# KiCad board rabbit_mask_capacitors.kicad_pcb (continued)
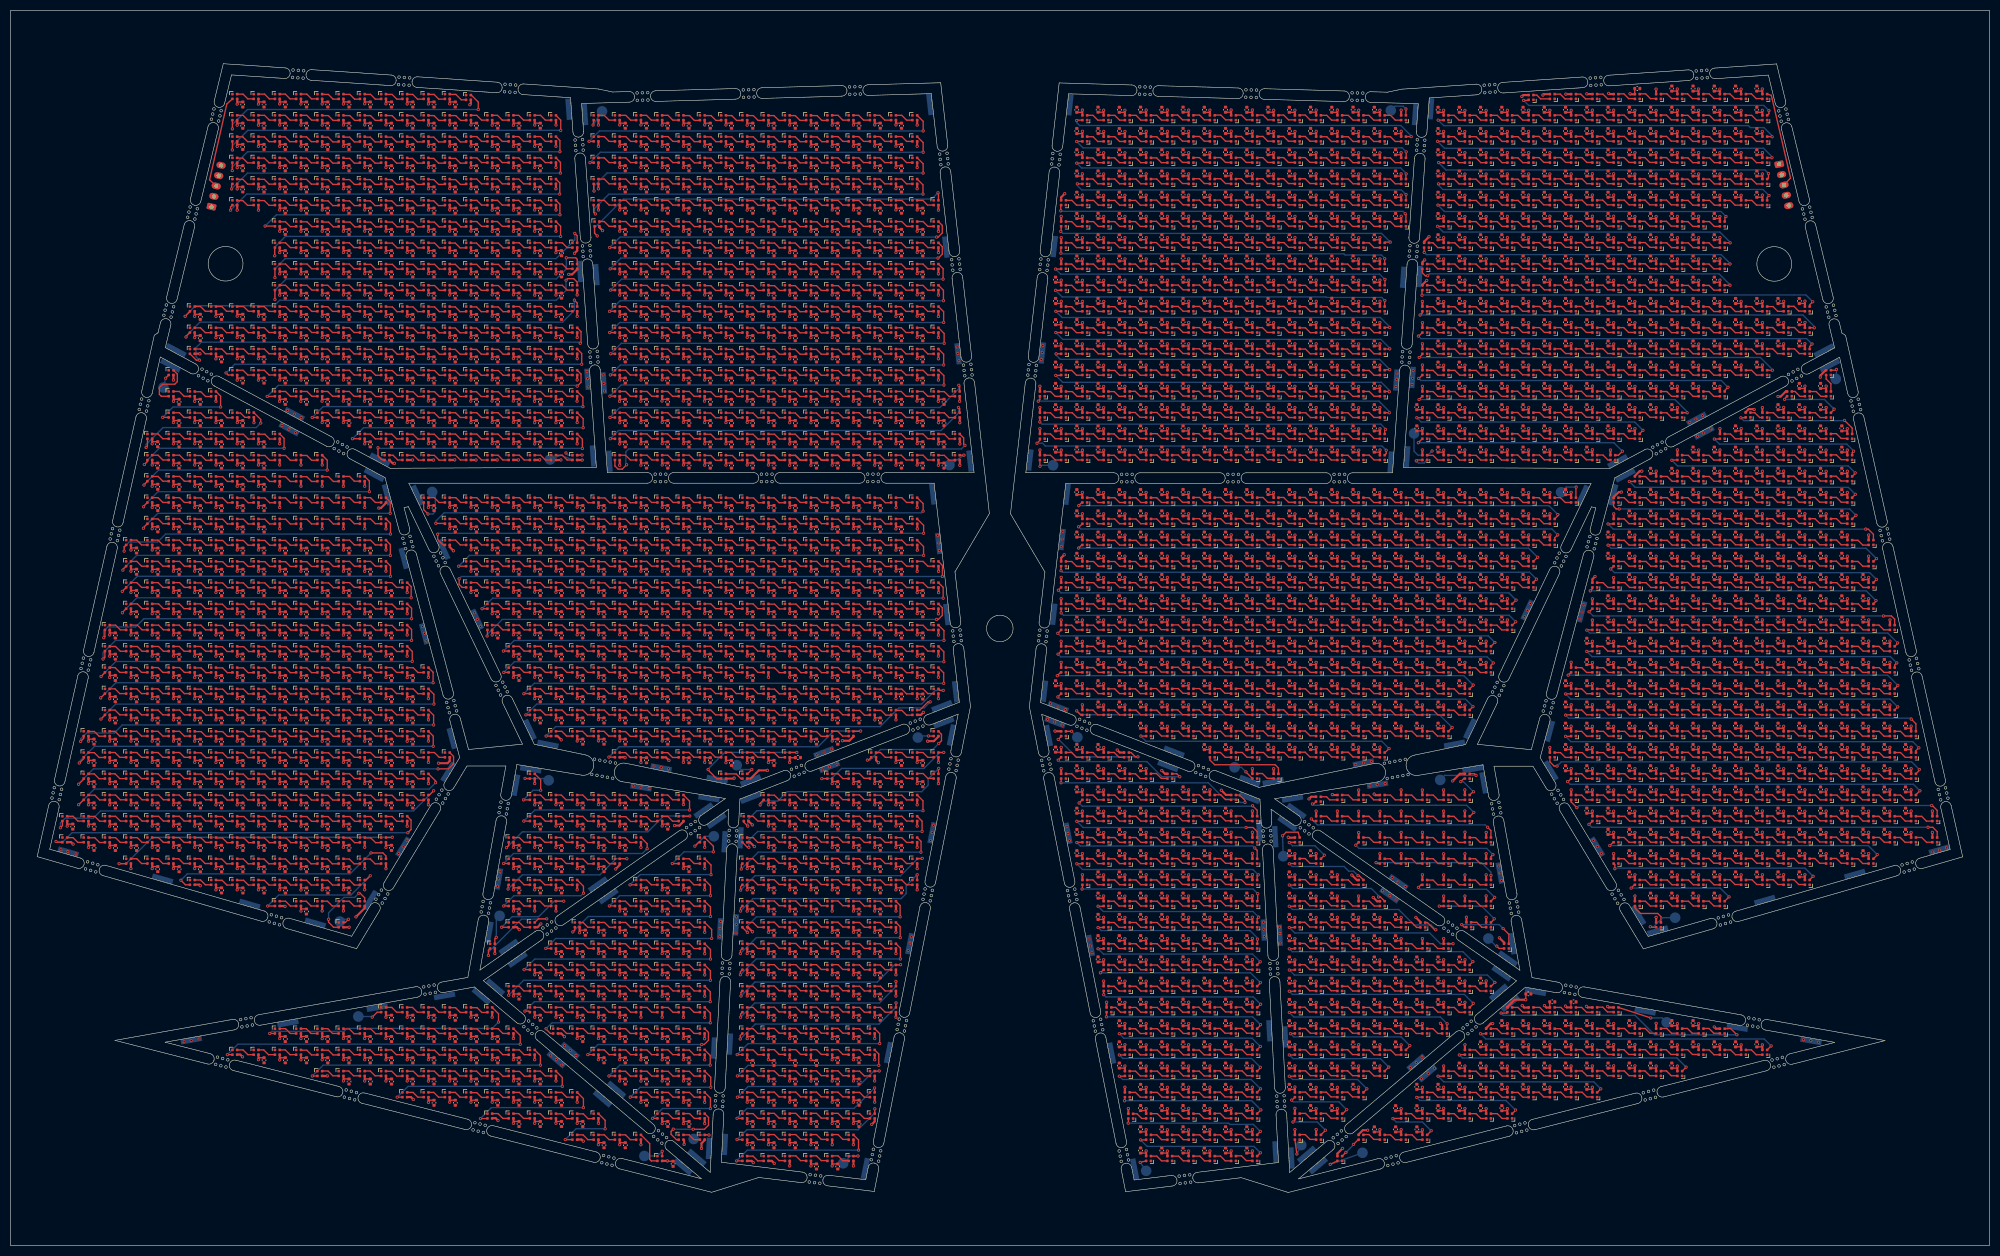
[diagram p0: board, top side]
## Routing (per net, layer and track width the routed paths; a pad name or vN(x,y) marks a point on that pad's centre or on a via; arc(x,y) is an arc through that point) (continued)
; C1485#859.1 269.68,189.38 ; C1485#477.1 118.72,79.34 ; C1485#1650.1 233.68,65.38 ; C1485#1606.1 154.72,211.34 ; C1485#2293.1 94.72,23.34 ; C1485#258.1 30.74,87.32 ; C1485#2081.1 102.72,139.34 ; C1485#1530.1 126.72,139.34 ; C1485#1348.1 78.72,211.34 ; C1485#1243.1 281.68,193.38 ; C1485#1642.1 221.68,37.38 ; C1485#1412.1 221.68,209.4 ; C1485#1883.1 309.68,69.38 ; C1485#2087.1 273.68,153.38 ; C1485#2378.1 353.68,89.38 ; C1485#1877.1 209.68,173.4 ; C1485#1747.1 317.68,89.38 ; C1485#384.1 317.68,193.38 ; C1485#2344.1 213.68,137.38 ; C1485#2102.1 66.74,131.32 ; C1485#68.1 281.68,185.38 ; C1485#1046.1 289.68,29.38 ; C1485#375.1 337.68,73.38 ; C1485#2505.1 309.68,101.38 ; C1485#468.1 62.72,79.34 ; C1485#550.1 229.68,125.38 ; C1485#500.1 317.68,189.38 ; C1485#2353.1 58.72,183.34 ; C1485#2302.1 345.68,93.38 ; C1485#2405.1 146.72,27.34 ; C1485#1049.1 285.68,205.38 ; C1485#157.1 253.68,45.36 ; C1485#2026.1 269.68,113.38 ; C1485#182.1 305.68,125.38 ; C1485#2321.1 146.72,167.34 ; C1485#1392.1 245.68,49.36 ; C1485#1847.1 301.68,113.38 ; C1485#783.1 257.68,109.38 ; C1485#151.1 269.68,193.38 ; C1485#1418.1 118.72,207.34 ; C1485#2164.1 114.72,115.34 ; C1485#2395.1 217.68,41.36 ; C1485#1426.1 138.72,95.34 ; C1485#66.1 273.68,33.38 ; C1485#15.1 213.68,125.38 ; C1485#2364.1 301.68,93.38 ; C1485#1407.1 166.72,111.34 ; C1485#2417.1 98.72,207.34 ; C1485#2260.1 58.74,103.32 ; C1485#187.1 269.68,213.38 ; C1485#1297.1 213.68,153.38 ; C1485#240.1 273.68,181.38 ; C1485#1892.1 58.72,159.34 ; C1485#1669.1 86.72,127.34 ; C1485#1896.1 138.72,43.34 ; C1485#2393.1 50.74,119.32 ; C1485#2598.1 241.68,129.38 ; C1485#539.1 138.72,67.34 ; C1485#570.1 82.72,43.34 ; C1485#2626.1 138.72,179.34 ; C1485#431.1 66.72,175.32 ; C1485#204.1 293.68,197.38 ; C1485#107.1 297.68,97.38 ; C1485#1907.1 229.68,41.36 ; C1485#519.1 245.68,213.4 ; C1485#1429.1 78.72,187.34 ; C1485#1655.1 150.72,123.34 ; C1485#166.1 142.72,67.34 ; C1485#1818.1 166.72,159.34 ; C1485#917.1 269.68,201.38 ; C1485#561.1 34.74,107.32 ; C1485#1796.1 18.74,87.32 ; C1485#1624.1 209.68,169.4 ; C1485#106.1 134.72,151.32 ; C1485#2178.1 26.74,75.32 ; 147.7,91.84 146.72,91.84 ; C1485#112.1 325.68,169.38 ; C1485#1137.1 26.72,143.34 ; C1485#743.1 249.68,161.4 ; C1485#1641.1 261.68,57.36 ; C1485#2106.1 30.74,131.32 ; C1485#402.1 126.72,23.34 ; C1485#2544.1 42.74,79.32 ; C1485#428.1 329.68,81.38 ; C1485#2330.1 245.69,101.38 ; C1485#1917.1 166.72,203.32 ; C1485#2572.1 34.74,123.32 ; C1485#517.1 58.72,191.34 ; C1485#100.1 30.74,115.32 ; C1485#2212.1 309.68,117.38 ; C1485#1905.1 229.68,173.38 ; C1485#2266.1 237.68,169.38 ; C1485#656.1 134.72,123.36 ; C1485#2349.1 225.68,209.38 ; C1485#1616.1 26.74,115.32 ; C1485#1028.1 217.68,149.4 ; C1485#1634.1 154.72,99.34 ; C1485#61.1 237.68,205.4 ; C1485#1591.1 217.68,69.38 ; C1485#2513.1 162.72,151.32 ; C1485#690.1 325.68,121.38 ; C1485#993.1 54.74,99.32 ; C1485#2257.1 78.72,167.34 ; C1485#1857.1 293.68,213.38 ; C1485#909.1 217.68,113.38 ; C1485#380.1 138.72,175.34 ; C1485#294.1 297.68,93.38 ; C1485#211.1 90.72,199.34 ; C1485#1382.1 209.68,157.4 ; C1485#546.1 166.72,199.34 ; C1485#117.1 122.72,95.34 ; C1485#1139.1 58.72,179.32 ; C1485#50.1 317.68,41.38 ; C1485#1920.1 237.68,93.36 ; C1485#136.1 297.68,173.38 ; C1485#2587.1 257.68,141.38 ; C1485#1908.1 305.68,97.38 ; C1485#1511.1 138.72,195.34 ; C1485#412.1 90.72,155.34 ; C1485#1086.1 321.68,117.38 ; C1485#47.1 158.72,183.34 ; C1485#1797.1 249.68,97.38 ; C1485#1519.1 281.68,205.38 ; C1485#1212.1 170.72,191.34 ; C1485#1715.1 138.72,147.34 ; C1485#2460.1 205.68,137.38 ; C1485#1033.1 162.72,115.34 ; C1485#1473.1 102.72,43.34 ; C1485#1246.1 146.72,135.34 ; C1485#1646.1 154.72,59.34 ; C1485#1886.1 305.68,189.38 ; C1485#1375.1 50.74,123.32 ; C1485#599.1 122.72,135.34 ; C1485#2518.1 90.72,135.34 ; C1485#1364.1 162.72,87.34 ; C1485#827.1 54.74,83.32 ; C1485#2201.1 293.68,201.38 ; C1485#2256.1 221.68,41.36 ; C1485#1890.1 261.68,53.36 ; C1485#2574.1 86.72,199.34 ; C1485#641.1 78.72,191.34 ; C1485#2466.1 82.72,175.32 ; C1485#1832.1 42.72,215.34 ; C1485#1951.1 249.68,193.38 ; C1485#1873.1 209.68,65.38 ; C1485#861.1 106.72,127.34 ; C1485#959.1 54.72,191.34 ; C1485#1691.1 321.68,201.38 ; C1485#1820.1 337.68,129.38 ; C1485#2510.1 58.72,39.34 ; C1485#2261.1 309.68,33.38 ; C1485#1944.1 293.68,153.38 ; C1485#242.1 301.68,209.38 ; C1485#991.1 146.72,139.34 ; C1485#950.1 245.68,33.36 ; C1485#2268.1 150.72,171.34 ; C1485#2132.1 269.68,173.38 ; C1485#821.1 26.74,107.32 ; C1485#1471.1 38.72,167.34 ; C1485#145.1 317.68,69.38 ; C1485#589.1 114.72,135.34 ; C1485#2487.1 345.68,97.38 ; C1485#1524.1 229.68,25.38 ; C1485#5.1 102.72,163.34 ; C1485#2291.1 118.72,27.34 ; C1485#1629.1 122.72,171.34 ; C1485#1835.1 38.74,127.32 ; C1485#2451.1 253.68,125.38 ; C1485#1461.1 134.72,211.34 ; C1485#2094.1 118.72,103.34 ; C1485#1282.1 321.68,149.38 ; C1485#941.1 241.68,169.4 ; C1485#1851.1 325.68,101.38 ; C1485#1481.1 90.72,31.34 ; C1485#584.1 233.68,209.38 ; C1485#2570.1 329.68,97.38 ; C1485#1052.1 54.72,35.34 ; C1485#1767.1 42.72,163.34 ; C1485#158.1 50.72,39.34 ; C1485#1050.1 249.68,157.4 ; C1485#2108.1 281.68,149.38 ; C1485#2392.1 313.68,109.38 ; C1485#1621.1 90.72,183.34 ; C1485#896.1 233.68,49.38 ; C1485#457.1 297.68,209.38 ; C1485#904.1 158.72,131.34 ; C1485#1302.1 38.74,135.32 ; C1485#919.1 245.68,133.38 ; C1485#2279.1 285.68,29.38 ; C1485#840.1 162.72,51.34 ; C1485#1502.1 114.72,167.34 ; C1485#1630.1 30.74,95.32 ; C1485#903.1 58.74,131.32 ; C1485#787.1 46.74,83.32 ; C1485#1789.1 54.72,71.34 ; C1485#1500.1 269.68,105.38 ; C1485#2285.1 86.72,203.34 ; C1485#2315.1 237.68,125.38 ; C1485#311.1 50.74,75.32 ; C1485#127.1 154.72,51.34 ; C1485#1199.1 78.72,163.34 ; C1485#2219.1 273.68,205.38 ; C1485#2076.1 50.74,67.32 ; C1485#601.1 82.72,35.34 ; C1485#2474.1 333.68,85.38 ; C1485#207.1 154.72,155.34 ; C1485#1787.1 54.74,107.32 ; C1485#71.1 301.68,37.38 ; C1485#1341.1 337.68,137.38 ; C1485#1839.1 221.68,173.38 ; C1485#2309.1 233.68,189.38 ; C1485#1814.1 273.68,137.38 ; C1485#1195.1 114.72,175.34 ; C1485#269.1 237.68,185.4 ; C1485#448.1 277.68,201.38 ; C1485#306.1 34.74,103.32 ; C1485#1287.1 58.74,115.34 ; C1485#823.1 317.68,201.38 ; C1485#732.1 225.68,45.38 ; C1485#1369.1 205.68,197.4 ; C1485#1933.1 257.68,37.36 ; C1485#476.1 237.68,177.38 ; C1485#1193.1 162.72,79.34 ; C1485#2049.1 233.68,117.38 ; C1485#1698.1 305.68,113.38 ; C1485#1594.1 229.68,53.38 ; C1485#417.1 257.68,201.38 ; C1485#1036.1 213.68,189.4 ; C1485#429.1 245.68,153.38 ; C1485#44.1 142.72,135.34 ; C1485#1842.1 349.68,77.38 ; C1485#416.1 18.74,83.32 ; C1485#1064.1 74.72,107.34 ; C1485#2377.1 213.68,89.38 ; C1485#590.1 142.72,159.34 ; C1485#563.1 166.72,211.34 ; C1485#1957.1 317.68,149.38 ; C1485#774.1 34.74,135.32 ; C1485#1978.1 281.68,197.38 ; C1485#689.1 146.72,103.34 ; C1485#1114.1 158.72,27.34 ; C1485#513.1 329.68,117.38 ; C1485#298.1 150.72,99.34 ; C1485#875.1 126.72,95.34 ; C1485#726.1 213.68,133.38 ; C1485#596.1 54.74,67.32 ; C1485#2222.1 94.72,139.34 ; C1485#370.1 233.68,69.38 ; C1485#1897.1 285.68,129.38 ; C1485#770.1 221.68,53.38 ; C1485#1975.1 325.68,93.38 ; C1485#667.1 134.72,135.34 ; C1485#196.1 217.68,153.4 ; C1485#1912.1 337.68,173.38 ; C1485#1081.1 150.72,159.34 ; C1485#98.1 253.68,141.4 ; C1485#1256.1 217.68,33.38 ; C1485#1602.1 138.72,55.34 ; C1485#2.1 245.68,169.38 ; C1485#2615.1 293.68,93.38 ; C1485#1866.1 329.68,37.38 ; C1485#1754.1 289.68,173.38 ; C1485#1467.1 325.68,201.38 ; C1485#926.1 122.72,67.34 ; C1485#455.1 146.72,83.34 ; C1485#2372.1 98.72,99.34 ; C1485#1834.1 138.72,34.84 ; C1485#852.1 122.72,103.34 ; C1485#18.1 162.72,75.34 ; C1485#2396.1 82.72,215.34 ; C1485#2512.1 134.72,167.34 ; C1485#154.1 94.72,63.34 ; C1485#1572.1 106.72,95.34 ; C1485#1353.1 289.68,197.38 ; C1485#2619.1 74.72,215.34 ; C1485#1541.1 345.68,81.38 ; C1485#450.1 126.72,51.34 ; C1485#2126.1 82.72,207.34 ; C1485#1262.1 269.68,121.38 ; C1485#339.1 341.68,85.38 ; C1485#11.1 253.68,49.36 ; C1485#2001.1 162.72,147.34 ; C1485#2419.1 265.68,105.38 ; C1485#368.1 321.68,129.38 ; C1485#2174.1 146.72,115.34 ; C1485#1850.1 241.68,93.36 ; C1485#2509.1 265.68,157.38 ; C1485#149.1 337.68,133.38 ; C1485#1516.1 118.72,187.34 ; C1485#2063.1 301.68,185.38 ; C1485#697.1 221.68,33.38 ; C1485#110.1 166.72,67.34 ; C1485#2200.1 62.72,95.34 ; C1485#1693.1 102.74,67.32 ; C1485#1413.1 229.68,97.38 ; C1485#1536.1 154.72,131.34 ; C1485#844.1 138.72,63.34 ; C1485#1506.1 58.74,99.32 ; C1485#2248.1 225.68,141.38 ; C1485#1778.1 38.74,119.32 ; C1485#56.1 201.68,85.38 ; C1485#2193.1 62.74,111.34 ; C1485#2179.1 321.68,217.38 ; C1485#377.1 54.74,127.34 ; C1485#1871.1 122.72,163.34 ; C1485#1726.1 301.68,173.38 ; C1485#32.1 62.72,167.34 ; C1485#611.1 293.68,181.38 ; C1485#1722.1 154.72,191.34 ; C1485#651.1 249.68,169.4 ; C1485#1761.1 86.72,191.34 ; C1485#1366.1 46.72,171.34 ; C1485#627.1 46.72,207.34 ; C1485#1733.1 150.72,15.34 ; C1485#978.1 50.7,71.36 ; C1485#945.1 357.68,77.38 ; C1485#1134.1 38.74,71.32 ; C1485#936.1 233.68,57.38 ; C1485#2497.1 237.68,197.4 ; C1485#81.1 34.74,139.32 ; C1485#2007.1 58.72,207.34 ; C1485#679.1 285.68,197.38 ; C1485#1969.1 158.72,63.34 ; C1485#1319.1 217.68,201.38 ; C1485#432.1 54.72,195.34 ; C1485#1362.1 241.68,197.38 ; C1485#639.1 154.72,31.34 ; C1485#848.1 98.72,175.34 ; C1485#2445.1 289.68,213.38 ; C1485#1183.1 273.68,177.38 ; C1485#2186.1 150.72,203.34 ; C1485#1996.1 349.68,97.38 ; C1485#895.1 221.69,77.36 ; C1485#2331.1 142.72,139.34 ; C1485#1208.1 321.68,69.38 ; C1485#620.1 74.72,171.34 ; C1485#1668.1 345.68,113.38 ; C1485#565.1 289.68,209.38 ; C1485#1696.1 261.69,25.36 ; C1485#92.1 94.72,211.34 ; C1485#1074.1 209.68,105.38 ; C1485#1166.1 54.74,95.32 ; C1485#1574.1 26.74,79.32 ; C1485#1015.1 209.69,101.38 ; C1485#26.1 174.72,151.34 ; C1485#1677.1 297.68,181.38 ; C1485#2318.1 241.68,49.36 ; C1485#1121.1 42.74,119.32 ; C1485#2140.1 38.74,115.32 ; C1485#1505.1 261.68,121.38 ; C1485#2019.1 154.72,187.34 ; C1485#77.1 261.68,197.38 ; C1485#254.1 217.68,161.4 ; C1485#2281.1 253.68,129.38 ; C1485#387.1 42.74,143.32 ; C1485#483.1 309.68,109.38 ; C1485#1704.1 309.68,213.38 ; C1485#2443.1 74.72,95.34 ; C1485#1603.1 253.68,193.4 ; C1485#1730.1 253.68,105.38 ; C1485#801.1 114.72,123.34 ; C1485#744.1 217.68,133.38 ; C1485#238.1 46.74,115.34 ; C1485#1345.1 277.68,121.38 ; C1485#1983.1 317.68,169.38 ; C1485#822.1 273.68,105.38 ; C1485#337.1 70.72,95.34 ; C1485#632.1 333.68,173.38 ; C1485#160.1 229.69,77.36 ; C1485#1792.1 329.68,73.38 ; C1485#733.1 253.68,173.38 ; C1485#756.1 317.68,121.38 ; C1485#997.1 329.68,173.38 ; C1485#2046.1 321.68,109.38 ; C1485#2399.1 62.72,215.34 ; C1485#2394.1 225.68,61.38 ; C1485#1981.1 233.68,197.38 ; C1485#2086.1 217.68,189.38 ; C1485#1269.1 217.68,185.38 ; C1485#1967.1 301.68,165.38 ; C1485#995.1 289.68,205.38 ; C1485#479.1 293.68,29.38 ; C1485#1759.1 86.72,179.32 ; C1485#2274.1 134.72,203.34 ; C1485#1517.1 257.68,41.36 ; C1485#1728.1 301.68,117.38 ; C1485#1450.1 50.72,191.34 ; C1485#63.1 154.72,111.34 ; C1485#2230.1 158.72,191.34 ; C1485#2294.1 122.72,183.34 ; C1485#2414.1 313.68,129.38 ; C1485#1117.1 301.68,189.38 ; C1485#1211.1 353.68,113.38 ; C1485#760.1 321.68,169.38 ; C1485#2435.1 305.68,89.38 ; C1485#1583.1 58.72,171.34 ; C1485#2168.1 265.68,97.38 ; C1485#1956.1 201.68,117.38 ; C1485#1552.1 257.68,97.38 ; C1485#2578.1 333.68,177.38 ; C1485#197.1 162.72,59.34 ; C1485#957.1 110.72,19.34 ; C1485#2473.1 309.68,141.38 ; C1485#1047.1 209.68,133.38 ; C1485#33.1 253.68,61.36 ; C1485#1161.1 325.68,145.38 ; C1485#786.1 225.68,117.38 ; C1485#1358.1 237.68,133.38 ; C1485#808.1 309.68,85.38 ; C1485#458.1 22.74,75.32 ; C1485#1533.1 50.74,103.32 ; C1485#922.1 313.68,213.38 ; C1485#2269.1 225.68,57.38 ; C1485#742.1 30.72,151.34 ; C1485#1402.1 90.72,211.34 ; C1485#178.1 233.68,141.38 ; C1485#1947.1 122.72,147.34 ; C1485#566.1 325.68,141.38 ; C1485#1240.1 241.68,189.38 ; C1485#2326.1 58.74,83.32 ; C1485#1987.1 205.69,77.36 ; C1485#2538.1 233.68,193.38 ; C1485#1113.1 150.72,63.34 ; C1485#2317.1 26.74,111.32 ; C1485#2210.1 166.72,127.34 ; C1485#1743.1 134.72,207.34 ; C1485#2464.1 209.68,137.38 ; C1485#386.1 62.74,131.32 ; C1485#1501.1 201.68,197.38 ; C1485#1637.1 273.68,193.38 ; C1485#2607.1 70.72,203.34 ; C1485#307.1 229.68,113.38 ; C1485#1076.1 50.74,79.32 ; C1485#2146.1 221.68,65.38 ; C1485#1686.1 305.68,185.38 ; C1485#1474.1 154.72,15.34 ; C1485#1901.1 166.72,195.34 ; C1485#985.1 345.68,77.38 ; C1485#520.1 281.68,41.38 ; C1485#767.1 90.72,195.34 ; C1485#2098.1 110.72,39.34 ; C1485#661.1 166.72,79.34 ; C1485#1694.1 221.69,101.38 ; C1485#2552.1 98.72,111.34 ; C1485#2211.1 34.74,95.32 ; C1485#2511.1 273.68,197.38 ; C1485#1764.1 305.68,93.38 ; C1485#597.1 106.74,71.32 ; C1485#1463.1 253.69,101.38 ; C1485#210.1 273.68,109.38 ; C1485#1175.1 285.68,157.38 ; C1485#45.1 46.74,71.32 ; C1485#268.1 62.72,207.34 ; C1485#30.1 166.72,119.34 ; C1485#410.1 150.72,111.34 ; C1485#76.1 225.68,65.38 ; C1485#2217.1 30.72,155.34 ; C1485#1879.1 317.68,141.38 ; C1485#619.1 146.72,199.34 ; C1485#1273.1 158.72,195.34 ; C1485#1194.1 217.68,213.38 ; C1485#1958.1 285.68,161.38 ; C1485#424.1 162.72,155.34 ; C1485#1073.1 261.68,137.38 ; C1485#2040.1 249.68,181.4 ; C1485#658.1 217.68,169.4 ; C1485#545.1 281.68,177.38 ; C1485#132.1 333.68,101.38 ; C1485#286.1 293.68,177.38 ; C1485#1292.1 62.72,187.34 ; C1485#1277.1 249.68,61.36 ; C1485#721.1 285.22,46.38 ; C1485#220.1 22.74,87.32 ; C1485#174.1 122.72,35.34 ; C1485#27.1 317.68,101.38 ; C1485#2591.1 281.68,129.38 ; C1485#925.1 82.72,167.34 ; C1485#2013.1 154.72,135.34 ; C1485#562.1 305.68,77.38 ; C1485#625.1 349.68,101.38 ; C1485#2156.1 321.68,165.38 ; C1485#357.1 142.72,163.34 ; C1485#1182.1 46.72,175.34 ; C1485#694.1 253.68,41.36 ; C1485#1363.1 138.72,203.34 ; C1485#548.1 158.72,59.34 ; C1485#684.1 337.68,145.38 ; C1485#1648.1 205.69,101.38 ; C1485#485.1 197.68,173.38 ; C1485#2516.1 221.68,193.4 ; C1485#1817.1 329.68,169.38 ; C1485#1855.1 233.68,133.38 ; C1485#1561.1 74.72,87.34 ; C1485#2231.1 90.72,39.34 ; C1485#1559.1 22.74,83.32 ; C1485#1419.1 118.72,95.34 ; C1485#1457.1 102.72,51.34 ; C1485#1998.1 26.74,131.32 ; C1485#1480.1 233.68,25.38 ; C1485#257.1 329.68,105.38 ; C1485#150.1 205.68,85.38 ; C1485#1779.1 26.74,87.32 ; C1485#643.1 213.68,105.38 ; C1485#58.1 225.68,161.4 ; C1485#714.1 341.68,81.38 ; C1485#1092.1 321.68,197.38 ; C1485#1207.1 245.68,57.36 ; C1485#1396.1 341.68,113.38 ; C1485#274.1 233.68,205.38 ; C1485#797.1 321.68,113.38 ; C1485#2250.1 146.72,179.34 ; C1485#1991.1 225.68,37.38 ; C1485#2332.1 325.68,173.38 ; C1485#1322.1 241.68,149.4 ; C1485#683.1 130.72,131.34 ; C1485#2048.1 86.72,155.34 ; C1485#2536.1 225.68,125.38 ; C1485#2288.1 273.68,157.38 ; C1485#1858.1 158.72,51.34 ; C1485#1378.1 237.68,153.38 ; C1485#1232.1 46.72,211.34 ; C1485#2336.1 26.74,91.32 ; C1485#1107.1 257.68,161.38 ; C1485#87.1 26.74,95.32 ; C1485#1213.1 325.68,165.38 ; C1485#2085.1 249.69,101.38 ; C1485#2253.1 313.68,193.38 ; C1485#739.1 233.68,161.4 ; C1485#202.1 98.72,27.34 ; C1485#1844.1 333.68,117.38 ; C1485#1972.1 66.72,215.34 ; C1485#1242.1 54.74,91.32 ; C1485#974.1 209.68,37.38 ; C1485#2622.1 90.72,151.34 ; C1485#1971.1 333.68,125.38 ; C1485#1828.1 54.74,119.32 ; C1485#2442.1 54.74,111.34 ; C1485#1995.1 126.72,39.34 ; C1485#2313.1 221.68,189.4 ; C1485#427.1 313.68,189.38 ; C1485#1806.1 62.72,39.34 ; C1485#965.1 62.72,183.34 ; C1485#1619.1 66.72,183.34 ; C1485#1590.1 301.68,129.38 ; C1485#2159.1 138.72,99.34 ; C1485#725.1 325.68,213.38 ; C1485#1504.1 134.72,131.34 ; C1485#191.1 197.68,92.88 ; C1485#937.1 74.72,39.34 ; C1485#1584.1 261.68,133.38 ; C1485#425.1 225.68,193.38 ; C1485#1774.1 42.74,87.32 ; C1485#2208.1 305.68,73.38 ; C1485#226.1 150.72,27.34 ; C1485#1927.1 345.68,105.38 ; C1485#1645.1 158.72,179.34 ; C1485#1244.1 130.72,99.34 ; C1485#798.1 118.72,55.34 ; C1485#975.1 217.68,57.38 ; C1485#2278.1 154.72,127.34 ; C1485#453.1 58.72,35.34 ; C1485#108.1 166.72,123.34 ; C1485#618.1 102.72,171.34 ; C1485#2447.1 245.68,109.38 ; C1485#1039.1 106.72,139.34 ; C1485#465.1 98.72,211.34 ; C1485#1010.1 313.68,113.38 ; C1485#646.1 313.68,85.38 ; C1485#1798.1 241.68,157.4 ; C1485#1515.1 249.68,133.38 ; C1485#2118.1 233.68,121.38 ; C1485#2605.1 289.68,177.38 ; C1485#2523.1 146.72,31.34 ; C1485#1988.1 138.72,107.34 ; C1485#1088.1 309.68,165.38 ; C1485#2199.1 325.68,153.38 ; C1485#1384.1 217.68,17.38 ; C1485#966.1 261.69,21.36 ; C1485#1162.1 94.71,31.34 ; C1485#1380.1 265.68,113.38 ; C1485#144.1 313.68,73.38 ; C1485#126.1 209.68,181.4 ; C1485#1607.1 313.68,81.38 ; C1485#413.1 293.68,89.38 ; C1485#1150.1 50.72,159.34 ; C1485#1703.1 229.68,177.38 ; C1485#1895.1 325.68,77.38 ; C1485#1980.1 38.72,75.34 ; C1485#2334.1 142.72,23.34 ; C1485#1433.1 349.68,93.38 ; C1485#1300.1 329.68,149.38 ; C1485#2165.1 130.72,183.34 ; C1485#867.1 74.72,199.34 ; C1485#2247.1 162.72,135.34 ; C1485#719.1 301.68,109.38 ; C1485#977.1 201.68,189.38 ; C1485#2478.1 201.68,165.4 ; C1485#986.1 213.68,53.38 ; C1485#800.1 309.68,37.38 ; C1485#1079.1 146.72,67.34 ; C1485#657.1 269.68,29.38 ; C1485#135.1 130.72,151.32 ; C1485#1664.1 313.68,209.38 ; C1485#1379.1 321.68,37.38 ; C1485#1611.1 50.72,35.34 ; C1485#64.1 213.68,29.36 ; C1485#1985.1 162.72,195.34 ; C1485#2170.1 86.72,123.34 ; C1485#1281.1 281.69,25.36 ; C1485#1186.1 257.68,33.38 ; C1485#1659.1 98.72,159.34 ; C1485#2483.1 150.72,79.34 ; C1485#2241.1 229.68,153.38 ; C1485#916.1 313.68,65.38 ; C1485#2224.1 62.72,71.34 ; C1485#1306.1 265.68,153.38 ; C1485#1101.1 54.72,183.34 ; C1485#1320.1 142.72,147.34 ; C1485#1608.1 126.72,127.34 ; C1485#34.1 317.68,177.38 ; C1485#2403.1 138.72,135.34 ; C1485#70.1 313.68,205.38 ; C1485#2158.1 98.72,139.34 ; C1485#587.1 66.72,79.34 ; C1485#955.1 245.68,193.4 ; C1485#2292.1 154.72,27.34 ; C1485#2024.1 30.74,83.32 ; C1485#2410.1 273.68,133.38 ; C1485#1391.1 309.68,125.38 ; C1485#868.1 142.72,207.34 ; C1485#1000.1 34.74,131.32 ; C1485#2462.1 150.72,147.34 ; C1485#1570.1 273.68,121.38 ; C1485#838.1 123.72,15.84 ; C1485#2030.1 154.72,159.34 ; C1485#2463.1 357.68,97.38 ; C1485#2479.1 309.68,185.38 ; C1485.1 309.68,137.38 ; C1485#1894.1 273.68,141.38 ; C1485#318.1 293.68,157.38 ; C1485#1720.1 217.68,193.38 ; C1485#571.1 118.72,47.34 ; C1485#1226.1 261.68,105.38 ; C1485#1620.1 209.68,193.38 ; C1485#85.1 269.68,165.38 ; C1485#2498.1 237.68,161.38 ; C1485#1941.1 301.68,193.38 ; C1485#2124.1 277.68,37.38 ; C1485#2551.1 357.68,89.38 ; C1485#613.1 138.72,183.34 ; C1485#2555.1 158.72,203.34 ; C1485#817.1 249.68,201.38 ; C1485#2255.1 142.72,155.34 ; C1485#1238.1 162.72,71.34 ; C1485#1623.1 305.68,117.38 ; C1485#346.1 130.72,155.34 ; C1485#309.1 114.72,19.34 ; C1485#2258.1 225.68,153.4 ; C1485#263.1 162.72,139.34 ; C1485#1370.1 30.74,111.32 ; C1485#2021.1 205.68,129.38 ; C1485#943.1 154.72,83.34 ; C1485#1534.1 10.72,79.34 ; C1485#1094.1 313.68,133.38 ; C1485#1435.1 50.72,215.34 ; C1485#830.1 261.69,101.38 ; C1485#1404.1 305.68,129.38 ; C1485#598.1 94.72,67.34 ; C1485#1214.1 201.68,125.38 ; C1485#1937.1 142.72,151.32 ; C1485#924.1 46.74,95.32 ; C1485#2022.1 321.68,97.38 ; C1485#642.1 146.72,207.34 ; C1485#2416.1 337.68,101.38 ; C1485#2502.1 201.68,129.38 ; C1485#862.1 257.68,181.38 ; C1485#1542.1 213.68,161.38 ; C1485#1216.1 154.72,123.34 ; C1485#2415.1 70.72,31.34 ; C1485#518.1 261.68,193.38 ; C1485#308.1 257.68,57.36 ; C1485#522.1 14.72,95.34 ; C1485#2037.1 162.72,127.34 ; C1485#388.1 253.68,161.38 ; C1485#543.1 229.68,69.38 ; C1485#704.1 110.72,127.34 ; C1485#1931.1 309.68,205.38 ; C1485#2320.1 197.68,153.38 ; C1485#1932.1 106.72,111.34 ; C1485#835.1 74.72,103.34 ; C1485#855.1 126.72,159.34 ; C1485#1291.1 106.72,51.34 ; C1485#890.1 130.72,175.34 ; C1485#193.1 54.72,159.34 ; C1485#1356.1 94.72,179.34 ; C1485#1869.1 146.72,127.34 ; C1485#1174.1 357.68,81.38 ; C1485#1132.1 205.68,93.38 ; C1485#2286.1 102.72,167.34 ; C1485#530.1 62.72,179.32 ; C1485#980.1 249.68,173.4 ; C1485#905.1 158.72,39.34 ; C1485#1687.1 146.72,175.34 ; C1485#910.1 329.68,145.38 ; C1485#69.1 297.68,85.38 ; C1485#1002.1 150.72,115.34 ; C1485#1647.1 333.68,137.38 ; C1485#10.1 122.72,155.34 ; C1485#888.1 205.68,189.4 ; C1485#2527.1 205.68,53.38 ; C1485#1339.1 74.72,31.34 ; C1485#1736.1 325.68,73.38 ; C1485#1337.1 106.72,103.34 ; C1485#1251.1 289.68,157.38 ; C1485#426.1 70.72,75.34 ; C1485#1509.1 